# Altium PCB PiMX8MPIODB_r0.1.PcbDoc (part 1 of 3) (continued)
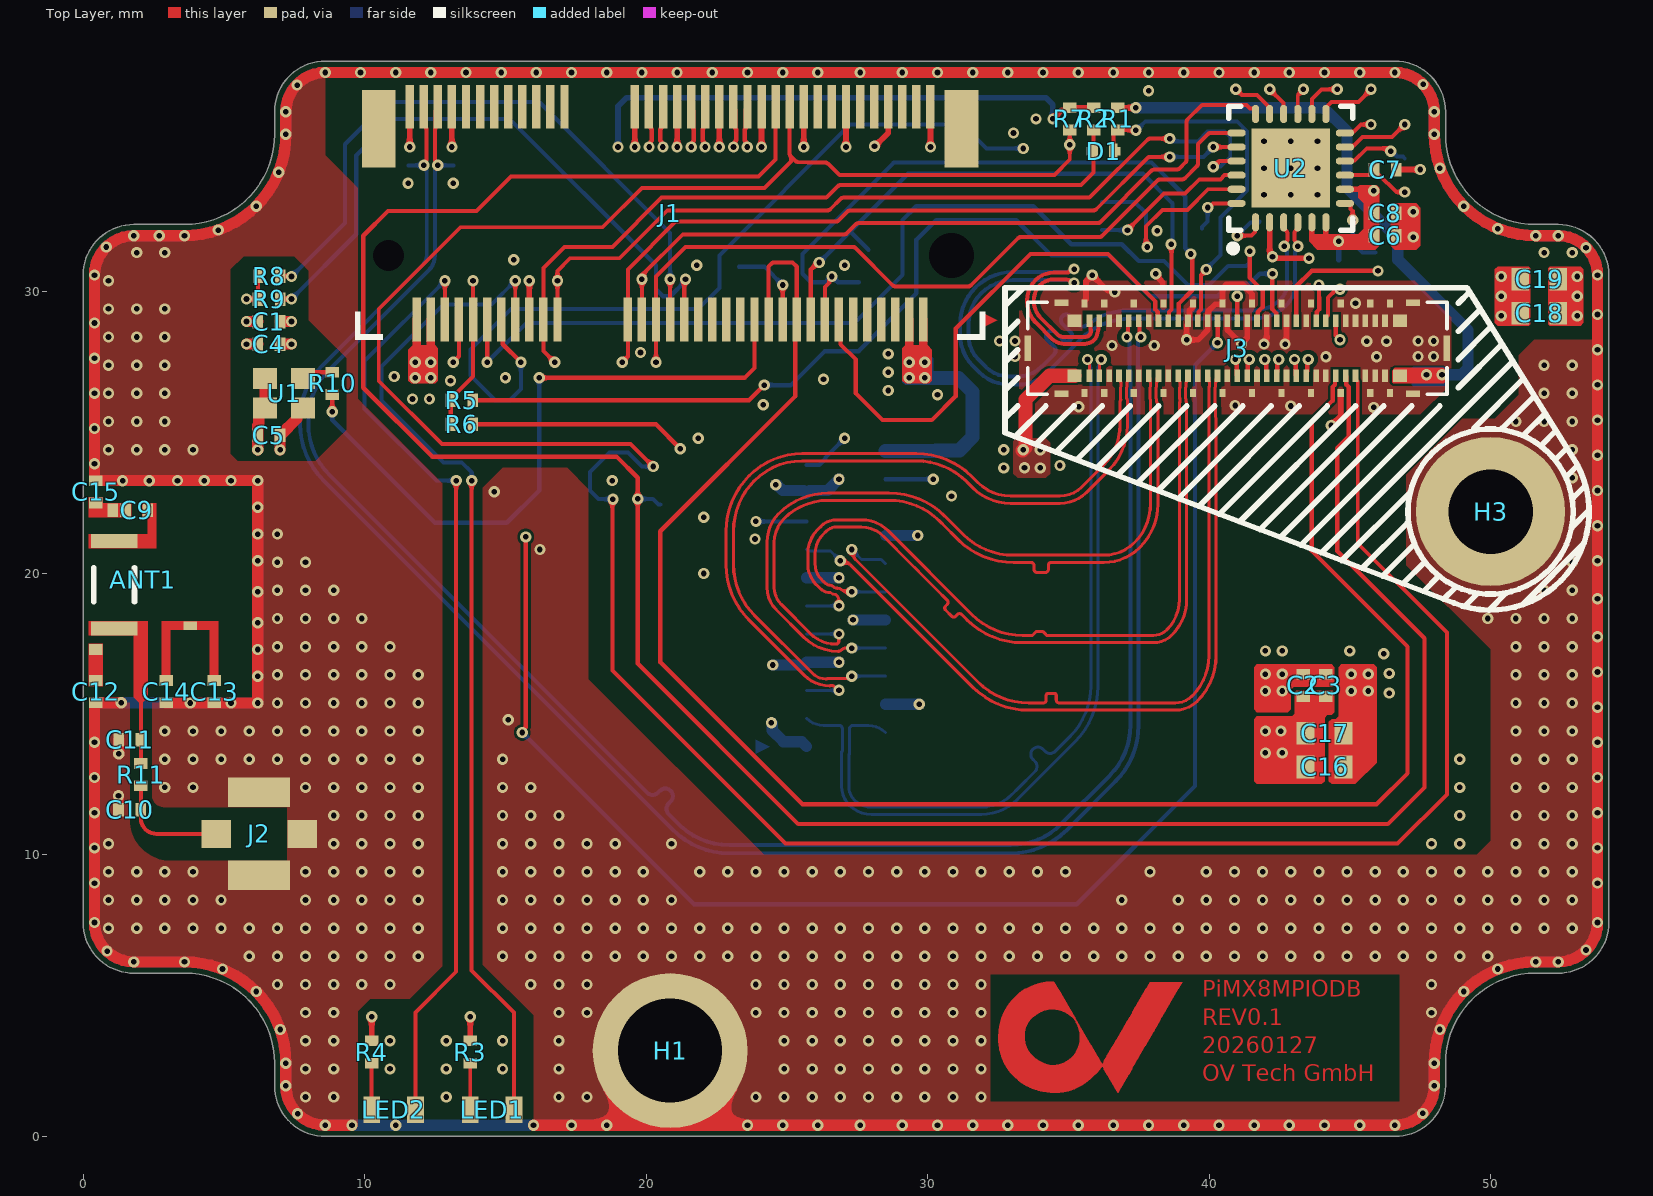
[diagram p0: Top Layer view]
## Classes and differential pairs
differential pair class DIFF100: CSI_CLK CSI_D0 CSI_D1 CSI_D2 CSI_D3
differential pair class DIFF90: USB_FPC1 USB_FPC2
differential pair class DIFF85: PCIE_CLK PCIE_RX PCIEC_TX
net class USB: USB_FPC1_N USB_FPC1_P USB_FPC2_N USB_FPC2_P
net class SNGL_50: PCM_MCLK PCM_RX_IN PCM_RX_SYNC PCM_TX_OUT PCM_TX_SYNC
net class RF_PATH: ANT_FEED CHIP_ANT
net class PCM: PCM_MCLK PCM_RX_IN PCM_RX_SYNC PCM_TX_OUT PCM_TX_SYNC
net class PCIe: PCIE_CLK_N PCIE_CLK_P PCIE_RX_N PCIE_RX_P PCIEC_TX_N PCIEC_TX_P
net class CSI: CSI_CLK_N CSI_CLK_P CSI_D0_N CSI_D0_P CSI_D1_N CSI_D1_P CSI_D2_N CSI_D2_P CSI_D3_N CSI_D3_P
component class U_05_CSI_CAMERA: C20
component class U_04_WIFI_BLE_ANTENNA: ANT1 C9 C10 C11 C12 C13 C14 C15 J2 R11
component class U_03_M.2_2230_E-KEY: C1 C2 C3 C4 C5 C6 C7 C8 D1 H1 J1 LED1 LED2 R1 R2 R3 R4 R5 R6 R7 R8 R9 R10 TP1 TP2 TP3 TP4 TP5 TP6 TP7 TP8 TP9 TP10 TP11 TP12 TP13 TP14 TP16 TP17 TP18 TP19 TP20 TP21 TP22 TP23 TP24 TP25 TP26 TP27 TP28 TP29 TP30 U1 U2
component class U_02_8MPLUS_PMIC: C16 C17 C18 C19 H3 J3
differential pair USB_FPC2: +USB_FPC2_P -USB_FPC2_N
differential pair USB_FPC1: +USB_FPC1_P -USB_FPC1_N
differential pair PCIEC_TX: +PCIEC_TX_P -PCIEC_TX_N
differential pair PCIE_RX: +PCIE_RX_P -PCIE_RX_N
differential pair PCIE_CLK: +PCIE_CLK_P -PCIE_CLK_N
differential pair CSI_D3: +CSI_D3_P -CSI_D3_N
differential pair CSI_D2: +CSI_D2_P -CSI_D2_N
differential pair CSI_D1: +CSI_D1_P -CSI_D1_N
differential pair CSI_D0: +CSI_D0_P -CSI_D0_N
differential pair CSI_CLK: +CSI_CLK_P -CSI_CLK_N

## Components (designator, comment, footprint, x,y, rotation, side; value= is the part's Value field where it differs from the comment)
ANT1 "ACAR0301-SW2" ANTENNA_ACAR0301-SW2_FEED_LEFT 1.1,19.6 r90 top locked
C1 "10µF 10V" CAPC1005X06L 6.6,28.95 r180 top
C2 "10µF 10V" CAPC1005X06L 43.35,16.025 r270 top
C3 "10µF 10V" CAPC1005X06L 44.15,16.025 r270 top
C4 "10µF 10V" CAPC1005X06L 6.6,28.15 r180 top
C5 "1µF 25V" CAPC1005X06L 6.6,24.905 r0 top
C6 "1µF 25V" CAPC1005X06L 46.25,32 r0 top
C7 "100nF 16V" CAPC1005X06L 46.25,34.35 r0 top
C8 "1µF 25V" CAPC1005X06L 46.25,32.8 r0 top
C9 "OPT" CAPC1005X06L 1.9,22.25 r180 top
C10 "OPT" CAPC1005X06L 1.65,11.6 r180 top
C11 "OPT" CAPC1005X06L 1.655,14.1 r180 top
C12 "OPT" CAPC1005X06L 0.45,15.8 r90 top
C13 "OPT" CAPC1005X06L 4.65,15.8 r270 top
C14 "OPT" CAPC1005X06L 2.95,15.8 r270 top
C15 "OPT" CAPC1005X06L 0.45,22.9 r90 top
C16 "22µF 10V" CAPC1608X10L 44.1,13.125 r180 top
C17 "22µF 10V" CAPC1608X10L 44.1,14.325 r180 top
C18 "22µF 10V" CAPC1608X10L 51.725,29.25 r0 top
C19 "22µF 10V" CAPC1608X10L 51.725,30.45 r0 top
C20 "10µF 25V" CAPC1608X10L 30.3,25.05 r90 bottom
D1 "BAT54LS-QYL" DFN1006-2A 36.25,35 r0 top
H1 "TH-0.8-2.5-M3" Spacer_SMD_M3x2.5_TH-0.8-2.5-M3 20.85,3.05 r0 top
H3 "9774010243R" Spacer_SMD_M2x1_9774010243R 50,22.2 r0 top
J1 "APCI0108-P001A" "M.2 E-Key 4.2mm APCI0108-P001A" 20.85,31.3 r0 top
J2 "CONMHF1-SMD" "U.FL Jack SMD" 6.25,10.75 r90 top
J3 "20698-062E-01" "BOARD-TO-BOARD 62POL_20698-062E-01" 41,28 r0 top locked
J4 "525592253" "FFC 22pol 0.5mm 525592253" 27.1,19.1 r90 bottom
LED1 "LTST-S270KSKT" "LED 0605_LTST-S270KRKT" 14.5,1 r180 top
LED2 "LTST-S270KGKT" "LED 0605_LTST-S270KRKT" 11,1 r180 top
R1 "4.7k 1%" RESC1005X04L 36.75,36.15 r90 top
R2 "4.7k 1%" RESC1005X04L 35.9,36.15 r90 top
R3 "1.5k 1%" RESC1005X04L 13.75,3 r90 top
R4 "1.5k 1%" RESC1005X04L 10.25,3 r90 top
R5 "0Ohm 1%" RESC1005X04L 13.45,26.15 r180 top
R6 "0Ohm 1%" RESC1005X04L 13.45,25.3 r180 top
R7 "10k 1%" RESC1005X04L 35.05,36.15 r90 top
R8 "OPT" RESC1005X04L 6.61,30.566 r0 top
R9 "OPT" RESC1005X04L 6.605,29.75 r0 top
R10 "27R 1%" RESC1005X04L 8.85,26.755 r270 top
R11 "0Ohm 1%" RESC1005X04L 2.05,12.855 r90 top
TP1 "Testpoint 0.5mm" TP_0.50mm 13.15,27.5 r90 bottom
TP2 "Testpoint 0.5mm" TP_0.50mm 13.85,30.4 r90 bottom
TP3 "Testpoint 0.5mm" TP_0.50mm 14.35,27.5 r90 bottom
TP4 "Testpoint 0.5mm" TP_0.50mm 15.55,27.5 r90 bottom
TP5 "Testpoint 0.5mm" TP_0.50mm 13.15,34.5 r90 bottom
TP6 "Testpoint 0.5mm" TP_0.50mm 11.55,34.5 r90 bottom
TP7 "Testpoint 0.5mm" TP_0.50mm 16.85,30.4 r90 bottom
TP8 "Testpoint 0.5mm" TP_0.50mm 16.75,27.5 r90 bottom
TP9 "Testpoint 0.5mm" TP_0.50mm 19.15,27.5 r90 bottom
TP10 "Testpoint 0.5mm" TP_0.50mm 19.85,30.45 r90 bottom
TP11 "Testpoint 0.5mm" TP_0.50mm 20.35,27.5 r90 bottom
TP12 "Testpoint 0.5mm" TP_0.50mm 23.3,30.9 r90 bottom
TP13 "Testpoint 0.5mm" TP_0.50mm 20.5,22.45 r90 bottom
TP14 "Testpoint 0.5mm" TP_0.50mm 27.9,31.5 r90 bottom
TP15 "Testpoint 0.5mm" TP_0.50mm 27.55,30.35 r90 bottom
TP16 "Testpoint 0.5mm" TP_0.50mm 45.9,31.4 r90 bottom
TP17 "Testpoint 0.5mm" TP_0.50mm 44.6,31.15 r90 bottom
TP18 "Testpoint 0.5mm" TP_0.50mm 36.2,32.2 r90 bottom
TP19 "Testpoint 0.5mm" TP_0.50mm 36.2,33.2 r90 bottom
TP20 "Testpoint 0.5mm" TP_0.50mm 39.75,32.25 r90 bottom
TP21 "Testpoint 0.5mm" TP_0.50mm 46.95,33.55 r180 bottom
TP22 "Testpoint 0.5mm" TP_0.50mm 41.8,32.5 r90 bottom
TP23 "Testpoint 0.5mm" TP_0.50mm 45.75,35.95 r90 bottom
TP24 "Testpoint 0.5mm" TP_0.50mm 45.75,37.2 r90 bottom
TP25 "Testpoint 0.5mm" TP_0.50mm 44.55,37.2 r90 bottom
TP26 "Testpoint 0.5mm" TP_0.50mm 43.35,37.2 r90 bottom
TP27 "Testpoint 0.5mm" TP_0.50mm 42.15,37.2 r90 bottom
TP28 "Testpoint 0.5mm" TP_0.50mm 46.95,34.75 r90 bottom
TP29 "Testpoint 0.5mm" TP_0.50mm 46.95,35.95 r90 bottom
TP30 "Testpoint 0.5mm" TP_0.50mm 40.95,37.2 r90 bottom
U1 "ECS-327MVATX-1-CN-TR" OSCILLATOR_ECS-327MVATX_2X1.6X0.9 7.134,26.405 r0 top
U2 "CH342F" QFN50P400X400X75_HS-25L 42.9,34.4 r90 top

## Footprints (in the part's own frame and the unit in brackets; to place one, negate y for a bottom-side part, rotate by r counter-clockwise, add the part's x,y. Pads: shape width x height; smd on the part's side, far side on the other; paste and mask are expansions set on the pad)
ANTENNA_ACAR0301-SW2_FEED_LEFT [mm]
  rect 0.5x1.65 smd mask+0.05: 1(-1.55,0) 2(1.55,0)
  rect 0.3x0.48 smd paste-1 mask+0.102: 3(-1.45,-2.7)
  rect 0.48x0.38 smd paste-1 mask+0.102: 4(2.65,0.05)
  rect 0.38x0.48 smd paste-1 mask+0.102: 5(-2.3,0.65)
  Top Layer region: 3.1,0.9 2.4,0.9 2.4,-0.6 2.9,-0.6 2.9,0.4 3.1,0.4
  Top Layer region: 1.8,0.9 1.3,0.9 1.3,-1.5 2.9,-1.5 2.9,-1 2.4,-1 2.4,-1.2 1.8,-1.2
  Top Layer region: -1.3,0.9 -1.3,-1.2 -4,-1.2 -4,-0.7 -1.8,-0.7 -1.8,0.9
  Top Layer region: -2.1,0.9 -2.1,0.4 -3.6,0.4 -3.6,0.9
  Top Layer region: -3.405,-3.4 -3.405,-3.7 -1.3,-3.7 -1.3,-1.7 -3.405,-1.7 -3.405,-2 -1.6,-2 -1.6,-3.4
  silkscreen extent -0.6,-0.72 0.6,0.72, body extent -1.53,-0.8 1.53,0.8, height 0.55
"BOARD-TO-BOARD 62POL_20698-062E-01" [mm] "High-speed board-to-board connector fully-shielded with power contacts, 0.35 mm pitch, 0.7 mm height"
  rect 0.2x0.45 smd: 1(-5.25,0.975) 2(-5.25,-0.975) 3(-4.9,0.975) 4(-4.9,-0.975) 5(-4.55,0.975) 6(-4.55,-0.975) 7(-4.2,0.975) 8(-4.2,-0.975) 9(-3.85,0.975) 10(-3.85,-0.975) 11(-3.5,0.975) 12(-3.5,-0.975) 13(-3.15,0.975) 14(-3.15,-0.975) 15(-2.8,0.975) 16(-2.8,-0.975) 17(-2.45,0.975) 18(-2.45,-0.975) 19(-2.1,0.975) 20(-2.1,-0.975) 21(-1.75,0.975) 22(-1.75,-0.975) 23(-1.4,0.975) 24(-1.4,-0.975) 25(-1.05,0.975) 26(-1.05,-0.975) 27(-0.7,0.975) 28(-0.7,-0.975) 29(-0.35,0.975) 30(-0.35,-0.975) 31(0,0.975) 32(0,-0.975) 33(0.35,0.975) 34(0.35,-0.975) 35(0.7,0.975) 36(0.7,-0.975) 37(1.05,0.975) 38(1.05,-0.975) 39(1.4,0.975) 40(1.4,-0.975) 41(1.75,0.975) 42(1.75,-0.975) 43(2.1,0.975) 44(2.1,-0.975) 45(2.45,0.975) 46(2.45,-0.975) 47(2.8,0.975) 48(2.8,-0.975) 49(3.15,0.975) 50(3.15,-0.975) 51(3.5,0.975) 52(3.5,-0.975) 53(3.85,0.975) 54(3.85,-0.975) 55(4.2,0.975) 56(4.2,-0.975) 57(4.55,0.975) 58(4.55,-0.975) 59(4.9,0.975) 60(4.9,-0.975) 61(5.25,0.975) 62(5.25,-0.975)
  rect 0.5x0.45 smd paste-1: P1(-5.775,0.975) P2(-5.775,-0.975) P3(5.775,0.975) P4(5.775,-0.975)
  rect 0.23x0.9 smd: SHD(-7.435,0) SHD(7.435,0)
  rect 0.5x0.23 smd: SHD(-6.245,-1.615) SHD(-6.245,1.615) SHD(6.245,-1.615) SHD(6.245,1.615)
  rect 0.22x0.28 smd: SHD(-5.425,-1.59) SHD(-5.425,1.59) SHD(-4.725,-1.59) SHD(-4.725,1.59) SHD(-3.675,-1.59) SHD(-3.675,1.59) SHD(-2.625,-1.59) SHD(-2.625,1.59) SHD(-1.575,-1.59) SHD(-1.575,1.59) SHD(-0.525,-1.59) SHD(-0.525,1.59) SHD(0.525,-1.59) SHD(0.525,1.59) SHD(1.575,-1.59) SHD(1.575,1.59) SHD(2.625,-1.59) SHD(2.625,1.59) SHD(3.675,-1.59) SHD(3.675,1.59) SHD(4.725,-1.59) SHD(4.725,1.59) SHD(5.425,-1.59) SHD(5.425,1.59)
  Top Layer region: -8.525,1 -9.025,0.75 -9.025,1.25
  silkscreen extent -7.45,-1.63 7.45,1.63, body extent -7.45,-1.63 7.45,1.63, height 0.58
CAPC1005X06L [mm] "Chip Capacitor, 2-Leads, Body 1,00x0,50mm, IPC High Density"
  rect 0.38x0.48 smd: 1(-0.395,0) 2(0.395,0)
  body extent -0.5,-0.25 0.5,0.25, height 0.5
CAPC1608X10L [mm] "Chip Capacitor, 2-Leads, Body 1,60x0,80mm, IPC High Density"
  rect 0.63x0.8 smd: 1(-0.675,0) 2(0.675,0)
  body extent -0.8,-0.45 0.8,0.45, height 0.8
DFN1006-2A [mm] "Leadless ultra small DFN1006-2A package (1mm × 0.6mm × 0.45mm)"
  rect 0.4x0.3 smd mask+0.05: 1(-0.4,0) 2(0.4,0)
  rect 0.3x0.55 smd mask+0.05: 1(-0.35,0) 2(0.35,0)
  body extent -0.5,-0.3 0.5,0.3, height 0.38
"FFC 22pol 0.5mm 525592253" [mm] "FFC 22pol 0.5mm 525592253"
  rect 0.6x1.5 smd: 1(-5.25,-1.4) 2(-4.75,1.4) 3(-4.25,-1.4) 4(-3.75,1.4) 5(-3.25,-1.4) 6(-2.75,1.4) 7(-2.25,-1.4) 8(-1.75,1.4) 9(-1.25,-1.4) 10(-0.75,1.4) 11(-0.25,-1.4) 12(0.25,1.4) 13(0.75,-1.4) 14(1.25,1.4) 15(1.75,-1.4) 16(2.25,1.4) 17(2.75,-1.4) 18(3.25,1.4) 19(3.75,-1.4) 20(4.25,1.4) 21(4.75,-1.4) 22(5.25,1.4)
  rect 0.8x1.5 smd: MT(-6.25,-1.4) MT(-6.25,1.4) MT(6.25,-1.4) MT(6.25,1.4)
  Top Layer region: -5.25,-2.7 -5.5,-3.2 -5,-3.2
  silkscreen extent -8.35,-1.65 8.35,1.85, body extent -8.35,-1.65 8.35,1.85, height 3.91
"LED 0605_LTST-S270KRKT" [mm] "LED Side Mount 0605"
  rect 0.6x0.95 smd: 1(-0.8,0.05) 2(0.75,0.05)
  body extent -0.82,-0.22 0.82,0.99, height 0.6
"M.2 E-Key 4.2mm APCI0108-P001A" [mm] "M.2 E-Key Connector Height=4.2mm APCI0108-P001A"
  rect 0.3x1.55 smd: 1(-9.25,5.275) 2(-9,-2.275) 3(-8.75,5.275) 4(-8.5,-2.275) 5(-8.25,5.275) 6(-8,-2.275) 7(-7.75,5.275) 8(-7.5,-2.275) 9(-7.25,5.275) 10(-7,-2.275) 11(-6.75,5.275) 12(-6.5,-2.275) 13(-6.25,5.275) 14(-6,-2.275) 15(-5.75,5.275) 16(-5.5,-2.275) 17(-5.25,5.275) 18(-5,-2.275) 19(-4.75,5.275) 20(-4.5,-2.275) 21(-4.25,5.275) 22(-4,-2.275) 23(-3.75,5.275) 32(-1.5,-2.275) 33(-1.25,5.275) 34(-1,-2.275) 35(-0.75,5.275) 36(-0.5,-2.275) 37(-0.25,5.275) 38(0,-2.275) 39(0.25,5.275) 40(0.5,-2.275) 41(0.75,5.275) 42(1,-2.275) 43(1.25,5.275) 44(1.5,-2.275) 45(1.75,5.275) 46(2,-2.275) 47(2.25,5.275) 48(2.5,-2.275) 49(2.75,5.275) 50(3,-2.275) 51(3.25,5.275) 52(3.5,-2.275) 53(3.75,5.275) 54(4,-2.275) 55(4.25,5.275) 56(4.5,-2.275) 57(4.75,5.275) 58(5,-2.275) 59(5.25,5.275) 60(5.5,-2.275) 61(5.75,5.275) 62(6,-2.275) 63(6.25,5.275) 64(6.5,-2.275) 65(6.75,5.275) 66(7,-2.275) 67(7.25,5.275) 68(7.5,-2.275) 69(7.75,5.275) 70(8,-2.275) 71(8.25,5.275) 72(8.5,-2.275) 73(8.75,5.275) 74(9,-2.275) 75(9.25,5.275)
  rect 1.2x2.75 smd: MT(-10.35,4.5) MT(10.35,4.5)
  round 0.5 hole 1.1 unplated mask+0.05: MT(-10,0)
  round 0.5 hole 1.6 unplated mask+0.05: MT(10,0)
  silkscreen extent -11.2,-3 11.2,-2, body extent -11,-28.25 11,5.75, height 4.77
OSCILLATOR_ECS-327MVATX_2X1.6X0.9 [mm] "ECS-327MVATX 32.768kHz Multivolt Oscillator"
  rect 0.85x0.75 smd: 1(-0.675,-0.525) 2(0.675,-0.525) 3(0.675,0.525) 4(-0.675,0.525)
  body extent -1,-0.8 1,0.8, height 0.9
QFN50P400X400X75_HS-25L [mm] "QFN, 24-Leads, Body 4,00x4,00mm, Pitch 0,50mm, Thermal Pad 2,80x2,80mm, IPC High Density"
  oval 0.65x0.25 smd: 1(-1.925,1.25) 2(-1.925,0.75) 3(-1.925,0.25) 4(-1.925,-0.25) 5(-1.925,-0.75) 6(-1.925,-1.25) 13(1.925,-1.25) 14(1.925,-0.75) 15(1.925,-0.25) 16(1.925,0.25) 17(1.925,0.75) 18(1.925,1.25)
  oval 0.25x0.65 smd: 7(-1.25,-1.925) 8(-0.75,-1.925) 9(-0.25,-1.925) 10(0.25,-1.925) 11(0.75,-1.925) 12(1.25,-1.925) 19(1.25,1.925) 20(0.75,1.925) 21(0.25,1.925) 22(-0.25,1.925) 23(-0.75,1.925) 24(-1.25,1.925)
  rect 2.8x2.8 smd paste-5: 25(0,0)
  silkscreen extent -2.97,-2.2 2.2,2.2, body extent -2.05,-2.05 2.05,2.05, height 0.75
RESC1005X04L [mm] "Chip Resistor, 2-Leads, Body 1,00x0,53mm, IPC High Density"
  rect 0.38x0.48 smd: 1(-0.395,0) 2(0.395,0)
  body extent -0.52,-0.27 0.53,0.28, height 0.4
Spacer_SMD_M2x1_9774010243R [mm] "Würth Elektronik SMD Spacer M2 internal thread 6mm length"
  round 5.3 hole 3: MT(0,0)
  body extent -2.18,-2.16 2.17,2.16, height 1
Spacer_SMD_M3x2.5_TH-0.8-2.5-M3 [mm] "Mac Eight SMD Spacer M3 internal thread 2.5mm length"
  round 5.5 / inner round 4.3 / far side round 5.5 hole 3.7: MT(0,0)
  body extent -2.5,-2.5 2.5,2.5, height 2.5
TP_0.50mm [mm] "Testpoint 0.50mm diameter"
  round 0.5 smd paste-1: TP(0,0)
  body extent -0.2,-0.2 0.2,0.2, height 0.1
"U.FL Jack SMD" [mm] "Linx Technologies CONMHF1-SMD"
  rect 1x1.05 smd: 1(0,1.525) 2(0,-1.525)
  rect 1.05x2.2 smd: 2(-1.475,0) 2(1.475,0)
  Top Layer pour cut-out: -0.95,-1 0.95,-1 0.95,1 -0.95,1
  body extent -1.5,-1.55 1.5,1.55, height 1.25

## Part data
ANT1: library part "Chip Antenna_ACAR0301-SW2", "Ceramic Chip Antenna ACAR0301-SW2 2.4 - 5.825GHZ", Manufacturer 1=ABRACON, Manufacturer 1 Prt. Nr.=ACAR0301-SW2
C1 C2 C3 C4: library part CAP_0402_10µ_10V, "Multilayer Ceramic Capacitors MLCC - SMD/SMT 0402 10VDC", Manufacturer 1="Murata Electronics", Manufacturer 1 Prt. Nr.=GRM155R61A475MEAAD, Manufacturer 2="Taiyo Yuden", Manufacturer 2 Prt. Nr.=LMK105BBJ475MVLF
C5 C6 C8: library part CAP_0402_1µ_25V, "Multilayer Ceramic Capacitors MLCC - SMD/SMT 0402 25VDC", Manufacturer 1="Murata Electronics", Manufacturer 1 Prt. Nr.=GRM155R61E105KE11D, Manufacturer 2=Walsin, Manufacturer 2 Prt. Nr.=0402X105K250CT
C7: library part CAP_0402_100nF_16V, "Multilayer Ceramic Capacitors MLCC - SMD/SMT 0402 16VDC", Manufacturer 1="KYOCERA AVX", Manufacturer 1 Prt. Nr.=KGM05AR71C104KH, Manufacturer 2="Taiyo Yuden", Manufacturer 2 Prt. Nr.=EMK105B7104KV-F
C9 C10 C11 C12 C13 C14 C15: library part CAP_0402_OPT, "Optional Capacitor 0402"
C16 C17 C18 C19: library part CAP_0603_22µ_10V, "Multilayer Ceramic Capacitors MLCC - SMD/SMT 0603 10VDC", Manufacturer 1="Murata Electronics", Manufacturer 1 Prt. Nr.=GRM188R61A226ME15D, Manufacturer 2="Samsung Electro-Mechanics", Manufacturer 2 Prt. Nr.=CL10A226MP8NRNC
C20: library part CAP_0603_10µ_25V, "Multilayer Ceramic Capacitors MLCC - SMD/SMT 0603 25VDC", Manufacturer 1="Murata Electronics", Manufacturer 1 Prt. Nr.=GRM188R61E106KA73J, Manufacturer 2="Samsung Electro-Mechanics", Manufacturer 2 Prt. Nr.=CL10A106MA8NRNC
D1: library part "Schottky 30V_BAT54LS-QYL", "Schottky Diodes & Rectifiers", Manufacturer 1=Nexperia, Manufacturer 1 Prt. Nr.=BAT54LS-QYL
H1: library part Spacer_SMD_M3_internal_2.5mm, "Mac Eight SMD Spacer M3 2.5mm length", Manufacturer 1="Mac Eight", Manufacturer 1 Prt. Nr.=TH-0.8-2.5-M3
H3: library part Spacer_SMD_M2_internal_1mm, "Würth Elektronik SMD Spacer M2 1mm length", Manufacturer 1="Würth Elektronik", Manufacturer 1 Prt. Nr.=9774010243R
J1: library part M.2_E-Key_H4.2_APCI0108-P001A, "NGFF E-Key Card Edge Connector 4.2mm Height", Manufacturer 1=Lotes, Distributor 1=LCSC, Manufacturer 1 Prt. Nr.=APCI0108-P001A
J2: library part U.FL_CONMHF1-SMD, "U.FL Type Jack PCB SMD RF Connector", Manufacturer 1="Linx Technologies", Manufacturer 1 Prt. Nr.=CONMHF1-SMD
J3: library part "Board to Board Connector_62pol_20698-062E-01", "Board to Board connector 62Pol FPC Header 0.35mm Pitch", Manufacturer 1=I-PEX, Manufacturer 1 Prt. Nr.=20698-062E-01
J4: library part "FFC Connector_22pol_525592253", "FFC Connector 22pol 0.5mm Pitch Vertical", Manufacturer 1=Molex, Manufacturer 1 Prt. Nr.=525592253
LED1: library part "LED Yellow Sideview_LTST-S270KSKT", "Standard LEDs 0605 Sideview - SMD Yellow Clear 589nm", Manufacturer 1=Lite-On, Manufacturer 1 Prt. Nr.=LTST-S270KGKT
LED2: library part "LED Green Sideview_LTST-S270KGKT", "Standard LEDs 0605 Sideview - SMD Green Clear 571nm", Manufacturer 1=Lite-On, Manufacturer 1 Prt. Nr.=LTST-S270KGKT
R1 R2: library part RES_0402_4.7k_1%, "Thick Film Resistors - SMD 4.7k 1%", Manufacturer 1="Vishay / Dale", Manufacturer 1 Prt. Nr.=CRCW04024K70FKEDC, Manufacturer 2=Panasonic, Manufacturer 2 Prt. Nr.=ERJ-PA2F4701X
R3 R4: library part RES_0402_1.5k_1%, "Thick Film Resistors - SMD 1.5k 1%", Manufacturer 1="Vishay / Dale", Manufacturer 1 Prt. Nr.=CRCW04021K50FKED, Manufacturer 2=YAGEO, Manufacturer 2 Prt. Nr.=RC0402FR-131K5L
R5 R6 R11: library part RES_0402_0R_1%, "Thick Film Resistors - SMD 0OHM 1%", Manufacturer 1=Bourns, Manufacturer 1 Prt. Nr.=CR0402AJ/-000GAS, Manufacturer 2=YAGEO, Manufacturer 2 Prt. Nr.=AC0402FR-070RL
R7: library part RES_0402_10k_1%, "Thick Film Resistors - SMD 10k 1%", Manufacturer 1="Vishay / Dale", Manufacturer 1 Prt. Nr.=CRCW040210K0FKEDC, Manufacturer 2=YAGEO, Manufacturer 2 Prt. Nr.=RT0402FRE0710KL
R8 R9: library part RES_0402_OPT, "Thick Film Resistors - SMD Optinal"
R10: library part RES_0402_27R_1%, "Thick Film Resistors - SMD 27R 1%", Manufacturer 1=YAGEO, Manufacturer 1 Prt. Nr.=RC0402FR-0727RL, Manufacturer 2="TE Connectivity Passive Product", Manufacturer 2 Prt. Nr.=CRGCQ0402F27R
U1: library part "Crystal Oscillator_ECS-327MVATX", "Crystal Oscillator 32.768kHz multivolt 2016 miniature SMD package", Manufacturer 1=ECS, Manufacturer 1 Prt. Nr.=ECS-2520MV-240-BN-TR
U2: library part "USB-UART_Converter_Dual_CH342F USB Uart converter 3MBaud", "USB to Dual Serial Port CH342F 3MBaud", Manufacturer 1="WCH IC", Distributor 1=LCSC, Manufacturer 1 Prt. Nr.=CH342F

## Via types
v1: diameter 0.4/0.4/0.4/0.4/0.4/0.4 (per signal layer), hole 0.2, Top Layer to Bottom Layer, tented both sides, 389 vias
v2: diameter 0.4, hole 0.2, Top Layer to Bottom Layer, tented both sides, 382 vias

## Nets (pads, with @x,y where several pads share a name; then routed paths per layer and width w, separated by ;. In a path a pad name is that pad's centre, name@x,y a point inside that pad or via, vN(x,y) a via of type N, cw(c..) or ccw(c..) an arc to the next point about the centre after c; other vN are vias at no path point)
ALERT#_1P8: J1.62 J3.15 | length 19.2
  Top Layer w0.15: J1.62@26.85,29.025 26.909,28.966 26.909,28.141 27.45,27.6 27.45,26.4 28.4,25.45 30.15,25.45 31,26.3 31,28.7 33.65,31.35 36.406,31.35 38.09,29.666 38.09,29.378 38.175,29.293 38.175,29 J3.15@38.2,28.975
ANT_FEED: ANT1.1 C11.1 R11.2 | length 2.7
  Top Layer w0.15: R11.2@2.05,13.25 C11.1@2.05,14.1 2.05,15.95
ANT_TUNING: ANT1.5 C12.2
CAM_GPIO: J3.47 J4.17 | length 37
  Top Layer w0.15: J3.47@43.8,28.975 43.825,29 43.825,29.293 43.91,29.378 43.91,29.802 43.9,29.812 v2(43.9,30.25)
  L3 SIG w0.15: v2(23.9,21.85) 23.9,23.5 25.7,25.3 27.5,25.3 29.35,23.45 29.35,22.65 32.375,19.625 38.6,19.625 ; 38.6,19.7 43.8,24.9 43.8,26.116 45.15,27.466 45.15,28.712 44.712,29.15 44.45,29.15 43.9,29.7 v2(43.9,30.25)
  Bottom Layer w0.15: v2(23.9,21.85) J4.17@25.7,21.85
CAM_I2C_SCL: J3.51 J4.20 | length 21.5
  Top Layer w0.15: J3.51@44.5,28.975 44.5,28.45 v2(44.65,28.3)
  L3 SIG w0.15: v2(30.2,23.35) 31.7,23.35 33.45,21.6 39.5,21.6 43.35,25.45 43.35,26.6 43.65,26.9 44.05,26.9 44.65,27.5 v2@44.65,28.287
  Bottom Layer w0.15: J4.20@28.5,23.35 v2(30.2,23.35)
CAM_I2C_SDA: J3.49 J4.21 | length 35
  Top Layer w0.15: J3.49@44.15,28.975 44.15,29.1 44.225,29.175 44.225,29.798 44.479,30.052 44.602,30.052 v2(44.65,30.1)
  L3 SIG w0.15: v2(27.05,24.8) 27.95,23.9 27.95,22.2 31.5,18.65 39.3,18.65 44.95,24.3 44.95,25.85 46.75,27.65 46.75,29 45.65,30.1 v2(44.65,30.1)
  Bottom Layer w0.15: J4.21@25.7,23.85 26.15,23.85 26.375,24.075 26.375,24.125 v2(27.05,24.8)
CH342_CTS0: J1.34 TP10.TP U2.18 | length 26.9
  Top Layer w0.14: J1.34@19.85,29.025 19.85,30.6 21.3,32.05 27.042,32.05 ccw(c27.042,32.19) 27.141,32.091 27.459,32.409 cw(c27.558,32.31) 27.558,32.45 36.042,32.45 ccw(c36.042,32.59) 36.141,32.491 37.959,34.309 cw(c38.058,34.21) 38.058,34.35 38.842,34.35 ccw(c38.842,34.49) 38.941,34.391 39.159,34.609 ccw(c39.06,34.708) 39.2,34.708 39.2,36.042 cw(c39.34,36.042) 39.241,36.141 39.709,36.609 cw(c39.808,36.51) 39.808,36.65 41.325,36.65 41.453,36.522 41.599,36.522 41.65,36.471 U2.18@41.65,36.325
  other v2: 19.85,30.45
CH342_CTS1: TP28.TP U2.10 | length 2.5
  Top Layer w0.14: U2.10@44.825,34.65 44.846,34.671 45.171,34.671 45.6,35.1 46.28,35.1 46.38,35 v2(46.45,35)
  Bottom Layer w0.14: v2(46.45,35) 46.495,35 46.676,34.819 46.881,34.819 TP28.TP@46.95,34.75
CH342_DCD0: TP20.TP U2.24 | length 1.9
  Top Layer w0.14: v2(39.95,33) 40.012,33 40.162,33.15 U2.24@40.975,33.15
  Bottom Layer w0.14: TP20.TP@39.75,32.25 39.75,32.312 39.95,32.512 v2(39.95,33)
CH342_DCD1: TP27.TP U2.16 | length 1.1
  Top Layer w0.14: v2(42.15,37.2) 42.641,36.709 42.641,36.334 U2.16@42.65,36.325
CH342_DSR0: TP18.TP U2.22 | length 5.6
  Top Layer w0.14: v2(37.1,32.2) 38.4,33.5 39.15,33.5 39.65,34 40.4,34 40.55,34.15 U2.22@40.975,34.15
  Bottom Layer w0.14: TP18.TP@36.2,32.2 v2(37.1,32.2)
CH342_DSR1: TP25.TP U2.14 | length 1.6
  Top Layer w0.14: U2.14@43.65,36.325 43.65,36.85 44,37.2 v2(44.55,37.2)
CH342_DTR0: TP19.TP U2.23 | length 7.5
  Top Layer w0.14: v2(37.8,31.6) 37.756,31.644 37.756,32.335 38.339,32.918 39.23,32.918 39.962,33.65 U2.23@40.975,33.65
  Bottom Layer w0.14: TP19.TP@36.2,33.2 37.356,33.2 37.756,32.8 37.756,31.644 v2(37.8,31.6)
CH342_DTR1: TP26.TP U2.15 | length 1
  Top Layer w0.14: U2.15@43.15,36.325 43.15,36.988 43.35,37.188 v2(43.35,37.2)
CH342_RI0: TP22.TP U2.1 | length 2
  Top Layer w0.14: v2(41,32) 41.5,32 41.629,32.129 41.629,32.454 U2.1@41.65,32.475
  Bottom Layer w0.14: v2(41,32) 41.465,32.465 41.765,32.465 TP22.TP@41.8,32.5
CH342_RI1: TP30.TP U2.17 | length 1.7
  Top Layer w0.14: v2(40.95,37.2) 40.962,37.2 41.162,37 41.7,37 42.15,36.55 U2.17@42.15,36.325
CH342_RST: C7.1 TP21.TP U2.9 | length 2.5
  Top Layer w0.14: U2.9@44.825,34.15 45.653,34.15 45.683,34.18 45.735,34.18 C7.1@45.855,34.3 ; C7.1@45.855,34.35 C7.1@45.855,34.3 ; v2(46.95,33.55) 46.948,33.552 46.653,33.552 46.025,34.18 45.975,34.18 C7.1@45.855,34.3
CH342_RTS0: J1.36 TP11.TP U2.19 | length 27.3
  Top Layer w0.14: v2(20.35,27.5) J1.36@20.35,29.025 20.35,30.55 21.4,31.6 27.342,31.6 cw(c27.342,31.46) 27.441,31.559 28.759,30.241 ccw(c28.858,30.34) 28.858,30.2 31.442,30.2 ccw(c31.442,30.34) 31.541,30.241 33.209,31.909 cw(c33.308,31.81) 33.308,31.95 36.092,31.95 ccw(c36.092,32.09) 36.191,31.991 38.159,33.959 cw(c38.258,33.86) 38.258,34 39.042,34 ccw(c39.042,34.14) 39.141,34.041 39.559,34.459 ccw(c39.46,34.558) 39.6,34.558 39.6,35.192 cw(c39.74,35.192) 39.641,35.291 39.959,35.609 cw(c40.058,35.51) 40.058,35.65 U2.19@40.975,35.65
CH342_RTS1: TP29.TP U2.11 | length 2.5
  Top Layer w0.14: U2.11@44.825,35.15 45.055,35.15 45.11,35.205 45.155,35.205 45.45,35.5 46.5,35.5 v2(46.95,35.95)
CH342_RX_0: J1.32 TP9.TP U2.20 | length 26.8
  Top Layer w0.14: v2(19.15,27.5) 19.15,27.512 19.35,27.712 J1.32@19.35,29.025 19.35,30.8 21.05,32.5 26.742,32.5 ccw(c26.742,32.64) 26.841,32.541 27.159,32.859 cw(c27.258,32.76) 27.258,32.9 35.892,32.9 ccw(c35.892,33.04) 35.991,32.941 37.809,34.759 cw(c37.908,34.66) 37.908,34.8 v2(38.6,34.8) ; v2(40.15,35.15) U2.20@40.975,35.15
  Bottom Layer w0.14: v2(38.6,34.8) 39.8,34.8 v2(40.15,35.15)
CH342_RX_1: TP23.TP U2.12 | length 1
  Top Layer w0.14: U2.12@44.825,35.65 45.055,35.65 45.11,35.705 45.155,35.705 45.4,35.95 v2(45.75,35.95)
CH342_TX_0: J1.22 TP7.TP U2.21 | length 30.2
  Top Layer w0.14: J1.22@16.85,29.025 v2(16.85,30.4) 16.85,30.75 17.3,31.2 19.05,31.2 20.75,32.9 26.442,32.9 ccw(c26.442,33.04) 26.541,32.941 26.909,33.309 cw(c27.008,33.21) 27.008,33.35 35.692,33.35 ccw(c35.692,33.49) 35.791,33.391 37.809,35.409 cw(c37.908,35.31) 37.908,35.45 v2(38.6,35.45) ; v2(40.15,34.45) 40.162,34.45 40.362,34.65 U2.21@40.975,34.65
  Bottom Layer w0.14: v2(38.6,35.45) 38.67,35.45 38.77,35.35 39.6,35.35 39.95,35.7 40.55,35.7 40.75,35.5 40.75,34.8 40.425,34.475 40.175,34.475 v2(40.15,34.45)
CH342_TX_1: TP24.TP U2.13 | length 2.1
  Top Layer w0.14: U2.13@44.15,36.325 44.15,36.55 44.35,36.75 45.3,36.75 v2(45.75,37.2)
CH342_VDD5: TP16.TP U2.7 | length 2.5
  Top Layer w0.15: U2.7@44.825,33.15 44.976,33.15 45.022,33.104 45.022,32.953 45.1,32.875 v2(45.1,32.55)
  Bottom Layer w0.15: v2(45.1,32.55) 45.1,31.75 45.45,31.4 TP16.TP@45.9,31.4
CHIP_ANT: C10.1 J2.1 R11.1 | length 4.1
  Top Layer w0.14: C10.1@2.045,11.6 2.05,11.6 2.05,11.3 ccw(c2.6,11.3) 2.6,10.75 J2.1@4.725,10.75 ; C10.1@2.05,11.605 R11.1@2.05,12.46
CSI_CLK_N: J3.14 J4.8 | length 27.8
  Top Layer w0.108: v2(27.3,17.35) 27.298,17.348 27.086,17.348 ccw(c27.086,17.154) 26.949,17.291 cw(c26.811,17.429) 26.811,17.234 cw(c26.811,18.95) 25.598,17.737 24.615,18.72 cw(c25.395,19.5) 24.292,19.5 24.292,21.105 cw(c25.745,21.105) 24.718,22.132 cw(c26.469,20.381) 26.469,22.858 28.633,22.858 cw(c28.633,20.06) 30.612,22.038 31.256,21.394 ccw(c33.052,23.19) 33.052,20.65 36.264,20.65 ccw(c36.264,22.186) 37.35,21.1 ccw(c35.971,22.479) 37.921,22.479 37.921,26.142 ccw(c37.813,26.141) 37.917,26.17 cw(c38.265,26.27) 37.903,26.27 37.903,26.55 cw(c38.265,26.55) 37.917,26.65 ccw(c37.813,26.679) 37.921,26.678 37.921,26.773 ccw(c37.878,26.773) 37.908,26.803 cw(c37.939,26.833) 37.896,26.833 37.896,26.914 ccw(c37.739,26.914) J3.14@37.85,27.025
  Bottom Layer w0.108: v2(27.3,17.35) J4.8@28.5,17.35
CSI_CLK_P: J3.16 J4.9 | length 27.7
  Top Layer w0.108: v2(26.85,17.85) 26.848,17.848 26.848,17.6 cw(c26.74,17.6) 26.817,17.524 cw(c26.74,17.6) 26.74,17.492 cw(c26.74,18.779) 25.831,17.869 24.797,18.903 cw(c25.395,19.5) 24.55,19.5 24.55,21.105 cw(c25.745,21.105) 24.9,21.95 cw(c26.469,20.381) 26.469,22.6 28.633,22.6 cw(c28.633,20.06) 30.429,21.856 30.468,21.818 ccw(c32.34,23.69) 30.545,21.744 ; 30.543,21.742 31.074,21.212 ccw(c33.052,23.19) 33.052,20.392 33.055,20.392 33.672,20.392 cw(c33.672,20.284) 33.78,20.285 33.781,20.138 ccw(c33.882,20.138) 33.883,20.037 34.188,20.039 ccw(c34.187,20.141) 34.289,20.142 34.288,20.283 cw(c34.396,20.284) 34.396,20.392 35.258,20.392 36.264,20.392 ccw(c36.264,22.186) 36.837,20.486 ccw(c36.264,22.186) 37.532,20.918 ccw(c35.971,22.479) 38.179,22.479 38.179,26.009 ccw(c38.094,26.009) 38.154,26.069 cw(c38.214,26.129) 38.129,26.129 38.129,26.142 ccw(c37.813,26.141) 38.117,26.227 cw(c38.265,26.27) 38.111,26.27 38.111,26.55 cw(c38.265,26.55) 38.117,26.593 ccw(c37.813,26.679) 38.129,26.677 38.129,26.772 ; 38.129,26.773 cw(c38.172,26.773) 38.142,26.803 ccw(c38.111,26.833) 38.154,26.833 38.154,26.914 cw(c38.311,26.914) J3.16@38.2,27.025
  Bottom Layer w0.108: J4.9@25.7,17.85 v2(26.85,17.85)
CSI_D0_N: J3.2 J4.2 | length 27.7
  Top Layer w0.11: v2(35.68,27.6) cw(c35.68,27.53) 35.75,27.53 J3.2@35.75,27.025
  Bottom Layer w0.108: J4.2@28.5,14.35 ccw(c27.906,13.756) 27.906,14.596 27.335,14.596 ccw(c27.335,14.488) 27.259,14.564 ccw(c27.335,14.488) 27.227,14.488 27.227,13.603 cw(c27.181,13.603) 27.214,13.57 ccw(c27.247,13.537) 27.2,13.537 27.2,12.433 ccw(c27.883,12.433) 27.4,11.95 ccw(c28.004,12.554) 28.004,11.7 31.914,11.7 ccw(c31.914,13.236) 33,12.15 33.217,12.367 33.813,12.963 ccw(c33.634,13.143) 33.813,13.323 33.739,13.397 cw(c33.918,13.577) 33.739,13.757 cw(c33.918,13.577) 34.098,13.757 34.173,13.682 ccw(c34.352,13.862) 34.532,13.682 34.929,14.079 35.052,14.202 ccw(c33.256,15.998) 35.796,15.998 35.796,27.32 ccw(c35.591,27.32) 35.736,27.465 cw(c35.871,27.6) v2(35.68,27.6)
CSI_D0_P: J3.4 J4.3 | length 27.7
  Top Layer w0.11: J3.4@36.1,27.025 36.1,27.53 cw(c36.17,27.53) v2(36.17,27.6)
  Bottom Layer w0.108: J4.3@25.7,14.85 ccw(c26.294,15.444) 26.294,14.604 26.848,14.604 cw(c26.848,14.482) 26.934,14.568 cw(c26.848,14.482) 26.969,14.482 26.969,13.71 cw(c26.923,13.71) 26.956,13.677 ccw(c26.989,13.644) 26.942,13.644 26.942,12.433 ccw(c27.883,12.433) 27.218,11.768 ccw(c28.004,12.554) 28.004,11.442 31.914,11.442 ccw(c31.914,13.236) 33.182,11.968 35.234,14.02 ccw(c33.256,15.998) 36.054,15.998 36.054,27.32 cw(c36.259,27.32) 36.114,27.465 ccw(c35.979,27.6) v2(36.17,27.6)
CSI_D1_N: J3.8 J4.5 | length 27.9
  Top Layer w0.108: v2(26.85,15.85) cw(c26.85,15.942) 26.785,15.877 26.672,15.989 ccw(c26.596,15.913) 26.596,16.021 26.551,16.021 cw(c26.522,16.05) 26.522,16.009 cw(c26.522,17.291) 25.616,16.384 23.662,18.338 cw(c25.64,20.317) 22.842,20.317 22.842,21.498 cw(c25.64,21.498) 23.662,23.476 23.668,23.482 cw(c25.54,21.61) 25.54,24.258 29.598,24.258 cw(c29.598,21.46) 31.576,23.438 31.782,23.232 ccw(c32.947,24.397) 32.947,22.75 34.7,22.75 ccw(c34.7,23.836) 35.468,23.068 36.236,23.836 ccw(c34.782,25.29) 36.838,25.29 36.838,26.1 cw(c36.937,26.1) 36.867,26.17 cw(c37.215,26.27) 36.853,26.27 36.853,26.55 cw(c37.215,26.55) 36.867,26.65 ccw(c36.763,26.679) 36.871,26.678 36.871,26.773 ccw(c36.828,26.773) 36.858,26.803 cw(c36.889,26.833) 36.846,26.833 36.846,26.914 ccw(c36.689,26.914) J3.8@36.8,27.025
  Bottom Layer w0.108: J4.5@25.7,15.85 v2(26.85,15.85)
CSI_D1_P: J3.10 J4.6 | length 28
  Top Layer w0.108: v2(27.3,16.35) ccw(c27.377,16.275) 27.298,16.348 cw(c27.102,16.529) 27.102,16.262 26.429,16.262 cw(c26.38,16.358) 26.378,16.25 cw(c26.4,16.938) 25.913,16.452 25.912,16.453 23.844,18.521 cw(c25.64,20.317) 23.1,20.317 23.1,21.498 cw(c25.64,21.498) 23.844,23.294 23.85,23.3 cw(c25.54,21.61) 25.54,24 29.598,24 cw(c29.598,21.46) 31.394,23.256 31.6,23.05 ccw(c32.947,24.397) 32.947,22.492 34.7,22.492 ccw(c34.7,23.836) 35.651,22.886 36.436,23.671 ccw(c34.842,25.265) 37.096,25.265 37.096,26.157 37.09,26.175 ccw(c36.988,26.139) 37.082,26.193 cw(c37.215,26.27) 37.067,26.227 cw(c37.215,26.27) 37.061,26.27 37.061,26.55 cw(c37.215,26.55) 37.067,26.593 ccw(c36.763,26.679) 37.079,26.677 37.079,26.772 ; 37.079,26.773 cw(c37.122,26.773) 37.092,26.803 ccw(c37.061,26.833) 37.104,26.833 37.104,26.914 cw(c37.261,26.914) J3.10@37.15,27.025
  Bottom Layer w0.108: v2(27.3,16.35) J4.6@28.5,16.35
CSI_D2_N: J3.20 J4.11 | length 27.9
  Top Layer w0.108: v2(26.85,18.85) 26.848,18.852 26.848,19.02 ccw(c26.548,19.02) 26.76,19.232 26.753,19.237 ccw(c26.693,19.147) 26.718,19.252 cw(c26.85,19.85) 26.547,19.318 26.548,19.32 cw(c26.548,19.847) 26.176,19.474 26.05,19.6 cw(c26.794,20.344) 25.742,20.344 25.742,20.7 cw(c26.966,20.7) 26.1,21.565 26.218,21.682 cw(c26.762,21.138) 26.762,21.908 27.65,21.908 cw(c27.65,20.564) 28.601,21.514 31.571,18.544 ccw(c33.367,20.34) 33.367,17.8 33.674,17.8 33.728,17.8 33.8,17.872 33.872,17.944 34.086,17.944 34.158,17.872 34.23,17.8 34.65,17.8 38.017,17.8 ccw(c38.017,18.483) 38.5,18 ccw(c37.423,19.077) 38.946,19.077 38.946,26.052 cw(c38.989,26.052) 38.958,26.082 ccw(c38.928,26.112) 38.971,26.112 38.971,26.142 ccw(c38.863,26.141) 38.967,26.17 cw(c39.315,26.27) 38.953,26.27 38.953,26.55 cw(c39.315,26.55) 38.967,26.65 ccw(c38.863,26.679) 38.971,26.678 38.971,26.773 ccw(c38.928,26.773) 38.958,26.803 cw(c38.989,26.833) 38.946,26.833 38.946,26.914 ccw(c38.789,26.914) J3.20@38.9,27.025
  Bottom Layer w0.108: J4.11@25.7,18.85 v2(26.85,18.85)
CSI_D2_P: J3.22 J4.12 | length 28
  Top Layer w0.108: v2(27.3,19.35) 27.298,19.352 27.166,19.352 cw(c27.166,19.738) 26.893,19.465 26.86,19.47 ccw(c26.844,19.363) 26.846,19.471 cw(c26.85,19.85) 26.586,19.578 cw(c26.586,19.938) 26.331,19.684 26.232,19.782 cw(c26.794,20.344) 26,20.344 26,20.7 cw(c26.966,20.7) 26.283,21.383 26.4,21.5 cw(c26.762,21.138) 26.762,21.65 27.65,21.65 cw(c27.65,20.564) 28.418,21.332 29.395,20.355 29.638,20.112 ccw(c31.617,22.09) 29.715,20.037 29.714,20.036 30.299,19.451 30.696,19.054 cw(c30.62,18.978) 30.696,18.901 30.637,18.843 ccw(c30.709,18.771) 30.637,18.699 30.853,18.484 ccw(c30.925,18.555) 30.997,18.484 31.055,18.542 cw(c31.132,18.466) 31.208,18.542 31.388,18.362 ccw(c33.367,20.34) 33.367,17.542 38.017,17.542 ccw(c38.017,18.483) 38.682,17.818 ccw(c37.423,19.077) 39.204,19.077 39.204,26.051 ccw(c39.161,26.051) 39.191,26.082 cw(c39.222,26.112) 39.179,26.112 39.179,26.142 ccw(c38.863,26.141) 39.167,26.227 cw(c39.315,26.27) 39.161,26.27 39.161,26.55 cw(c39.315,26.55) 39.167,26.593 ccw(c38.863,26.679) 39.179,26.678 39.179,26.773 cw(c39.222,26.773) 39.192,26.803 ccw(c39.161,26.833) 39.204,26.833 39.204,26.914 cw(c39.361,26.914) J3.22@39.25,27.025
  Bottom Layer w0.108: v2(27.3,19.35) J4.12@28.5,19.35
CSI_D3_N: J3.26 J4.14 | length 27.9
  Top Layer w0.108: v2(27.3,20.85) cw(c27.205,20.755) 27.339,20.755 ccw(c27.731,20.755) 27.454,20.479 31.788,16.144 ccw(c33.585,17.94) 33.585,15.4 34.05,15.4 34.104,15.4 ccw(c34.104,15.508) 34.212,15.508 34.212,15.669 cw(c34.284,15.669) 34.284,15.741 34.498,15.741 cw(c34.498,15.669) 34.57,15.669 34.57,15.508 ccw(c34.678,15.508) 34.678,15.4 35.418,15.4 38.796,15.4 ccw(c38.796,16.254) 39.4,15.65 ccw(c37.971,17.079) 39.992,17.079 39.992,25.3 ; J3.26@39.95,27.025 cw(c39.839,26.914) 39.996,26.914 39.996,26.833 ccw(c40.039,26.833) 40.008,26.803 cw(c39.978,26.773) 40.021,26.773 40.021,26.678 cw(c39.913,26.679) 40.017,26.65 ccw(c40.087,26.58) 39.988,26.58 39.988,25.3
  Bottom Layer w0.108: v2(27.3,20.85) 27.651,20.499 28.351,20.499 J4.14@28.5,20.35
CSI_D3_P: J3.28 J4.15 | length 27.9
  Top Layer w0.108: v2(26.9,20.45) ccw(c26.995,20.545) 26.995,20.411 cw(c26.995,20.019) 27.271,20.296 31.606,15.962 ccw(c33.585,17.94) 33.585,15.142 35.4,15.142 38.796,15.142 ccw(c38.796,16.254) 39.582,15.468 ccw(c37.971,17.079) 40.25,17.079 40.25,25.3 ; 40.229,26.772 40.229,26.677 cw(c39.913,26.679) 40.217,26.593 ccw(c40.365,26.55) 40.211,26.55 40.211,26.27 ccw(c40.365,26.27) 40.211,26.264 40.246,25.3 ; 40.229,26.773 cw(c40.272,26.773) 40.241,26.803 ccw(c40.211,26.833) 40.254,26.833 40.254,26.914 cw(c40.411,26.914) J3.28@40.3,27.025
  Bottom Layer w0.108: J4.15@25.7,20.85 25.749,20.801 26.549,20.801 v2(26.9,20.45)
EXTAL32_R: R10.1 U1.3 | length 1.3
  Top Layer w0.15: U1.3@7.809,26.93 7.809,27.15 R10.1@8.85,27.15
FPC_PEWAKE0#_3P3: J1.55 J3.56 R7.1 | length 103.2
  Top Layer w0.14: v2@18.8,22.6 18.8,16.55 24.95,10.4 46.7,10.4 48.45,12.15 48.45,17.9 45.28,21.07 45.28,26.82 J3.56@45.208,26.892 ; v2(20.25,23.8) 19.45,24.6 12.741,24.6 10.5,26.841 10.5,29.4 13.4,32.3 18.45,32.3 19.85,33.7 24.2,33.7 25.141,34.641 25.141,34.809 ; J1.55@25.1,36.575 25.1,34.908 ccw(c25.24,34.908) 25.141,34.809 ; R7.1@35.05,35.755 v2(35.05,35.228) 35.05,34.7 34.5,34.15 26.931,34.15 cw(c26.931,34.29) 26.832,34.191 26.478,34.545 ccw(c26.379,34.446) 26.434,34.575 26.4,34.589 ccw(c26.346,34.46) 26.346,34.6 25.75,34.6 25.373,34.625 cw(c25.383,34.765) 25.284,34.666 25.141,34.809
  Bottom Layer w0.14: v2(18.819,22.642) 18.308,22.642 18,22.95 18,23.6 18.7,24.3 19.35,24.3 19.85,23.8 v2(20.25,23.8)